# Altium PCB InfraredModule-批量.PcbDoc (part 2 of 2) (continued)
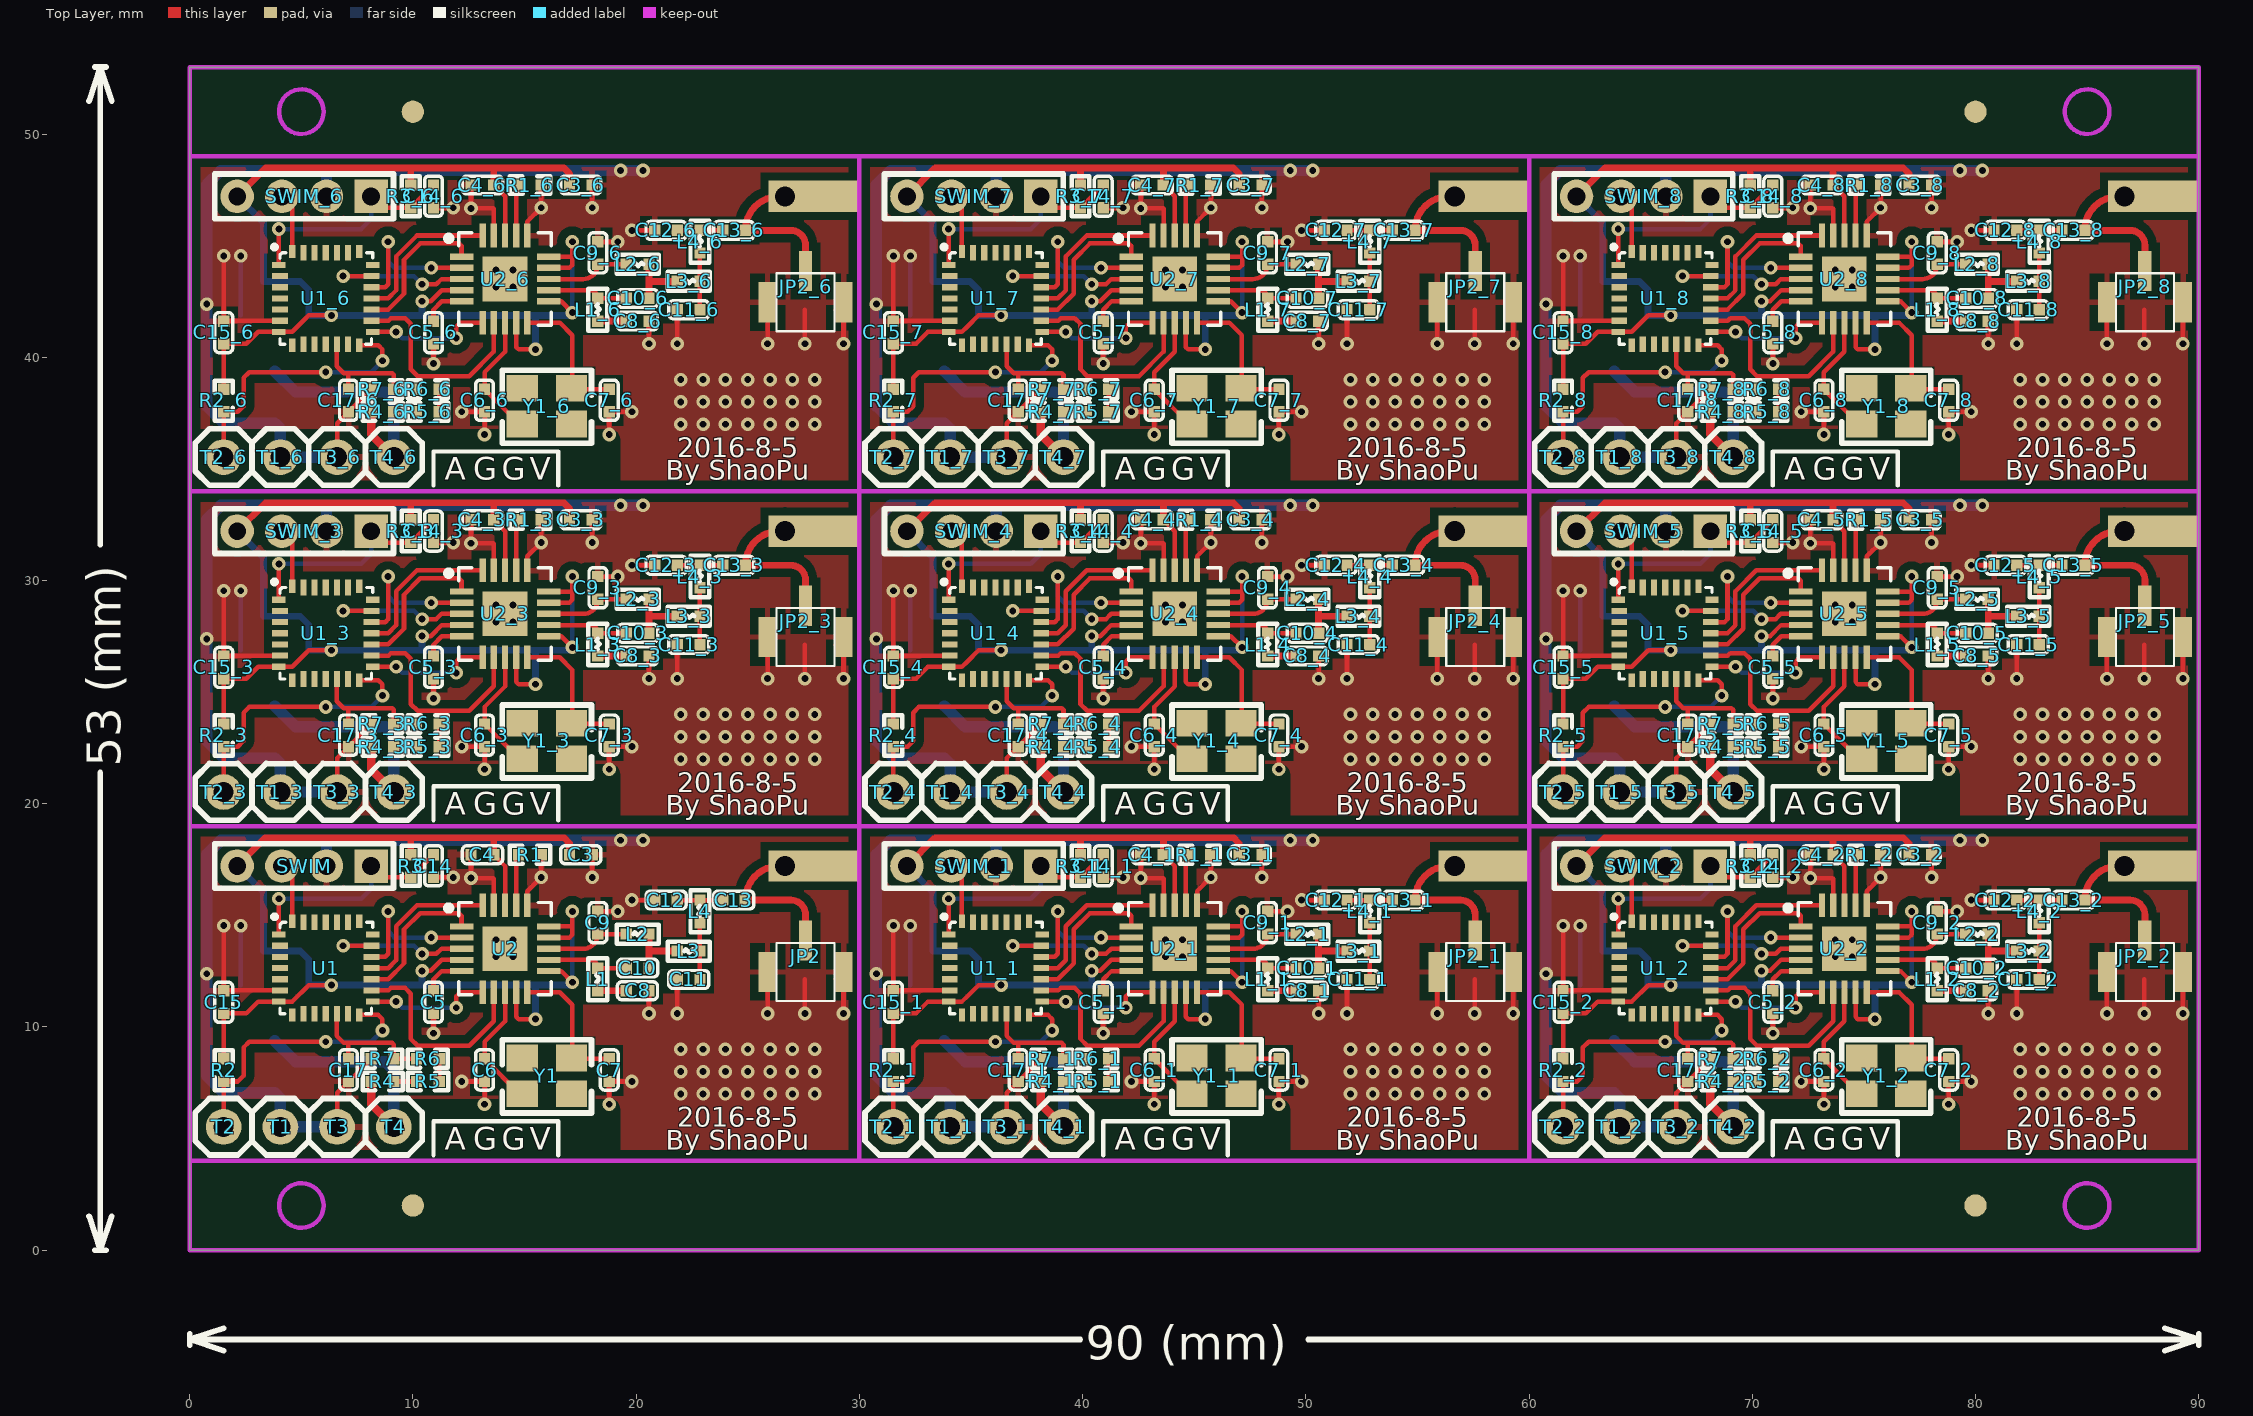
[diagram p0: Top Layer view]
## Nets (pads, with @x,y where several pads share a name; then routed paths per layer and width w, separated by ;. In a path a pad name is that pad's centre, name@x,y a point inside that pad or via, vN(x,y) a via of type N, cw(c..) or ccw(c..) an arc to the next point about the centre after c; other vN are vias at no path point) (continued)
  Top Layer w0.305: 2.128,17.208 3.398,18.478 9.906,18.478 ; 2.128,32.208 3.398,33.478 9.906,33.478 ; 2.128,47.208 3.398,48.478 9.906,48.478 ; 9.906,17.716 9.906,18.478 ; 9.906,32.716 9.906,33.478 ; 9.906,47.716 9.906,48.478 ; 13.619,17.716 13.619,18.381 13.716,18.478 ; 13.619,32.716 13.619,33.381 13.716,33.478 ; 13.619,47.716 13.619,48.381 13.716,48.478 ; 17.018,17.716 17.018,18.224 16.764,18.478 13.716,18.478 ; 17.018,32.716 17.018,33.224 16.764,33.478 13.716,33.478 ; 17.018,47.716 17.018,48.224 16.764,48.478 13.716,48.478 ; 18.288,11.62 19.558,11.62 ; 18.288,26.62 19.558,26.62 ; 18.288,41.62 19.558,41.62 ; 20.574,12.636 20.574,13.398 ; 20.574,14.16 20.574,13.398 ; 20.574,27.636 20.574,28.398 ; 20.574,29.16 20.574,28.398 ; 20.574,42.636 20.574,43.398 ; 20.574,44.16 20.574,43.398 ; 21.844,13.398 20.574,13.398 ; 21.844,28.398 20.574,28.398 ; 21.844,43.398 20.574,43.398 ; 25.908,15.684 24.892,15.684 ; 25.908,30.684 24.892,30.684 ; 25.908,45.684 24.892,45.684 ; 27.589,13.866 27.589,15.019 ccw(c26.924,15.019) 26.924,15.684 24.892,15.684 ; 27.589,28.866 27.589,30.019 ccw(c26.924,30.019) 26.924,30.684 24.892,30.684 ; 27.589,43.866 27.589,45.019 ccw(c26.924,45.019) 26.924,45.684 24.892,45.684 ; 27.686,17.208 26.416,17.208 ccw(c26.416,15.684) 24.892,15.684 ; 27.686,32.208 26.416,32.208 ccw(c26.416,30.684) 24.892,30.684 ; 27.686,47.208 26.416,47.208 ccw(c26.416,45.684) 24.892,45.684 ; 32.128,17.208 33.398,18.478 39.906,18.478 ; 32.128,32.208 33.398,33.478 39.906,33.478 ; 32.128,47.208 33.398,48.478 39.906,48.478 ; 39.906,17.716 39.906,18.478 ; 39.906,32.716 39.906,33.478 ; 39.906,47.716 39.906,48.478 ; 43.619,17.716 43.619,18.381 43.716,18.478 ; 43.619,32.716 43.619,33.381 43.716,33.478 ; 43.619,47.716 43.619,48.381 43.716,48.478 ; 47.018,17.716 47.018,18.224 46.764,18.478 43.716,18.478 ; 47.018,32.716 47.018,33.224 46.764,33.478 43.716,33.478 ; 47.018,47.716 47.018,48.224 46.764,48.478 43.716,48.478 ; 48.288,11.62 49.558,11.62 ; 48.288,26.62 49.558,26.62 ; 48.288,41.62 49.558,41.62 ; 50.574,12.636 50.574,13.398 ; 50.574,14.16 50.574,13.398 ; 50.574,27.636 50.574,28.398 ; 50.574,29.16 50.574,28.398 ; 50.574,42.636 50.574,43.398 ; 50.574,44.16 50.574,43.398 ; 51.844,13.398 50.574,13.398 ; 51.844,28.398 50.574,28.398 ; 51.844,43.398 50.574,43.398 ; 55.908,15.684 54.892,15.684 ; 55.908,30.684 54.892,30.684 ; 55.908,45.684 54.892,45.684 ; 57.589,13.866 57.589,15.019 ccw(c56.924,15.019) 56.924,15.684 54.892,15.684 ; 57.589,28.866 57.589,30.019 ccw(c56.924,30.019) 56.924,30.684 54.892,30.684 ; 57.589,43.866 57.589,45.019 ccw(c56.924,45.019) 56.924,45.684 54.892,45.684 ; 57.686,17.208 56.416,17.208 ccw(c56.416,15.684) 54.892,15.684 ; 57.686,32.208 56.416,32.208 ccw(c56.416,30.684) 54.892,30.684 ; 57.686,47.208 56.416,47.208 ccw(c56.416,45.684) 54.892,45.684 ; 62.128,17.208 63.398,18.478 69.906,18.478 ; 62.128,32.208 63.398,33.478 69.906,33.478 ; 62.128,47.208 63.398,48.478 69.906,48.478 ; 69.906,17.716 69.906,18.478 ; 69.906,32.716 69.906,33.478 ; 69.906,47.716 69.906,48.478 ; 73.619,17.716 73.619,18.381 73.716,18.478 ; 73.619,32.716 73.619,33.381 73.716,33.478 ; 73.619,47.716 73.619,48.381 73.716,48.478 ; 77.018,17.716 77.018,18.224 76.764,18.478 73.716,18.478 ; 77.018,32.716 77.018,33.224 76.764,33.478 73.716,33.478 ; 77.018,47.716 77.018,48.224 76.764,48.478 73.716,48.478 ; 78.288,11.62 79.558,11.62 ; 78.288,26.62 79.558,26.62 ; 78.288,41.62 79.558,41.62 ; 80.574,12.636 80.574,13.398 ; 80.574,14.16 80.574,13.398 ; 80.574,27.636 80.574,28.398 ; 80.574,29.16 80.574,28.398 ; 80.574,42.636 80.574,43.398 ; 80.574,44.16 80.574,43.398 ; 81.844,13.398 80.574,13.398 ; 81.844,28.398 80.574,28.398 ; 81.844,43.398 80.574,43.398 ; 85.908,15.684 84.892,15.684 ; 85.908,30.684 84.892,30.684 ; 85.908,45.684 84.892,45.684 ; 87.589,13.866 87.589,15.019 ccw(c86.924,15.019) 86.924,15.684 84.892,15.684 ; 87.589,28.866 87.589,30.019 ccw(c86.924,30.019) 86.924,30.684 84.892,30.684 ; 87.589,43.866 87.589,45.019 ccw(c86.924,45.019) 86.924,45.684 84.892,45.684 ; 87.686,17.208 86.416,17.208 ccw(c86.416,15.684) 84.892,15.684 ; 87.686,32.208 86.416,32.208 ccw(c86.416,30.684) 84.892,30.684 ; 87.686,47.208 86.416,47.208 ccw(c86.416,45.684) 84.892,45.684 ; 9.906,18.478 13.716,18.478 ; 9.906,33.478 13.716,33.478 ; 9.906,48.478 13.716,48.478 ; 39.906,18.478 43.716,18.478 ; 39.906,33.478 43.716,33.478 ; 39.906,48.478 43.716,48.478 ; 69.906,18.478 73.716,18.478 ; 69.906,33.478 73.716,33.478 ; 69.906,48.478 73.716,48.478
  Top Layer w0.381: 8.128,7.556 8.128,6.54 9.144,5.524 ; 8.128,22.556 8.128,21.54 9.144,20.524 ; 8.128,37.556 8.128,36.54 9.144,35.524 ; 38.128,7.556 38.128,6.54 39.144,5.524 ; 38.128,22.556 38.128,21.54 39.144,20.524 ; 38.128,37.556 38.128,36.54 39.144,35.524 ; 68.128,7.556 68.128,6.54 69.144,5.524 ; 68.128,22.556 68.128,21.54 69.144,20.524 ; 68.128,37.556 68.128,36.54 69.144,35.524
  Bottom Layer w0.203: 2.286,11.874 2.286,13.398 v1(2.286,14.541) ; 2.286,26.874 2.286,28.398 v1(2.286,29.541) ; 2.286,41.874 2.286,43.398 v1(2.286,44.541) ; v1(3.996,15.743) 7.679,15.743 8.128,16.192 8.128,17.208 ; v1(3.996,30.743) 7.679,30.743 8.128,31.192 8.128,32.208 ; v1(3.996,45.743) 7.679,45.743 8.128,46.192 8.128,47.208 ; v1(6.096,9.334) 8.128,9.334 v1(8.636,9.842) ; v1(6.096,24.334) 8.128,24.334 v1(8.636,24.842) ; v1(6.096,39.334) 8.128,39.334 v1(8.636,39.842) ; v1(8.89,15.176) 8.89,14.287 9.173,14.004 v1(10.824,14.004) ; v1(8.89,30.176) 8.89,29.287 9.173,29.004 v1(10.824,29.004) ; v1(8.89,45.176) 8.89,44.287 9.173,44.004 v1(10.824,44.004) ; v1(9.247,11.136) 9.525,10.858 v1(11.938,10.858) ; v1(9.247,26.136) 9.525,25.858 v1(11.938,25.858) ; v1(9.247,41.136) 9.525,40.858 v1(11.938,40.858) ; 9.668,13.636 v1(6.874,13.636) 10.049,13.636 v1(10.414,13.271) ; 9.668,28.636 v1(6.874,28.636) 10.049,28.636 v1(10.414,28.271) ; 9.668,43.636 v1(6.874,43.636) 10.049,43.636 v1(10.414,43.271) ; v1(17.145,12.001) v1(17.145,15.176) ; v1(17.145,27.001) v1(17.145,30.176) ; v1(17.145,42.001) v1(17.145,45.176) ; 32.286,11.874 32.286,13.398 v1(32.286,14.541) ; 32.286,26.874 32.286,28.398 v1(32.286,29.541) ; 32.286,41.874 32.286,43.398 v1(32.286,44.541) ; v1(33.996,15.743) 37.679,15.743 38.128,16.192 38.128,17.208 ; v1(33.996,30.743) 37.679,30.743 38.128,31.192 38.128,32.208 ; v1(33.996,45.743) 37.679,45.743 38.128,46.192 38.128,47.208 ; v1(36.096,9.334) 38.128,9.334 v1(38.636,9.842) ; v1(36.096,24.334) 38.128,24.334 v1(38.636,24.842) ; v1(36.096,39.334) 38.128,39.334 v1(38.636,39.842) ; v1(38.89,15.176) 38.89,14.287 39.173,14.004 v1(40.824,14.004) ; v1(38.89,30.176) 38.89,29.287 39.173,29.004 v1(40.824,29.004) ; v1(38.89,45.176) 38.89,44.287 39.173,44.004 v1(40.824,44.004) ; v1(39.247,11.136) 39.525,10.858 v1(41.938,10.858) ; v1(39.247,26.136) 39.525,25.858 v1(41.938,25.858) ; v1(39.247,41.136) 39.525,40.858 v1(41.938,40.858) ; 39.668,13.636 v1(36.874,13.636) 40.049,13.636 v1(40.414,13.271) ; 39.668,28.636 v1(36.874,28.636) 40.049,28.636 v1(40.414,28.271) ; 39.668,43.636 v1(36.874,43.636) 40.049,43.636 v1(40.414,43.271) ; v1(47.145,12.001) v1(47.145,15.176) ; v1(47.145,27.001) v1(47.145,30.176) ; v1(47.145,42.001) v1(47.145,45.176) ; 62.286,11.874 62.286,13.398 v1(62.286,14.541) ; 62.286,26.874 62.286,28.398 v1(62.286,29.541) ; 62.286,41.874 62.286,43.398 v1(62.286,44.541) ; v1(63.996,15.743) 67.679,15.743 68.128,16.192 68.128,17.208 ; v1(63.996,30.743) 67.679,30.743 68.128,31.192 68.128,32.208 ; v1(63.996,45.743) 67.679,45.743 68.128,46.192 68.128,47.208 ; v1(66.096,9.334) 68.128,9.334 v1(68.636,9.842) ; v1(66.096,24.334) 68.128,24.334 v1(68.636,24.842) ; v1(66.096,39.334) 68.128,39.334 v1(68.636,39.842) ; v1(68.89,15.176) 68.89,14.287 69.173,14.004 v1(70.824,14.004) ; v1(68.89,30.176) 68.89,29.287 69.173,29.004 v1(70.824,29.004) ; v1(68.89,45.176) 68.89,44.287 69.173,44.004 v1(70.824,44.004) ; v1(69.247,11.136) 69.525,10.858 v1(71.938,10.858) ; v1(69.247,26.136) 69.525,25.858 v1(71.938,25.858) ; v1(69.247,41.136) 69.525,40.858 v1(71.938,40.858) ; 69.668,13.636 v1(66.874,13.636) 70.049,13.636 v1(70.414,13.271) ; 69.668,28.636 v1(66.874,28.636) 70.049,28.636 v1(70.414,28.271) ; 69.668,43.636 v1(66.874,43.636) 70.049,43.636 v1(70.414,43.271) ; v1(77.145,12.001) v1(77.145,15.176) ; v1(77.145,27.001) v1(77.145,30.176) ; v1(77.145,42.001) v1(77.145,45.176)
  Bottom Layer w0.305: 2.128,17.208 3.302,16.034 3.302,13.398 4.953,13.398 5.334,13.017 5.334,11.874 10.414,11.874 ; 2.128,32.208 3.302,31.034 3.302,28.398 4.953,28.398 5.334,28.017 5.334,26.874 10.414,26.874 ; 2.128,47.208 3.302,46.034 3.302,43.398 4.953,43.398 5.334,43.017 5.334,41.874 10.414,41.874 ; v1(10.414,12.509) 10.414,11.874 ; v1(10.414,27.509) 10.414,26.874 ; v1(10.414,42.509) 10.414,41.874 ; v1(15.494,10.35) 15.494,11.874 ; v1(15.494,25.35) 15.494,26.874 ; v1(15.494,40.35) 15.494,41.874 ; v1@17.018,11.874 15.494,11.874 ; v1@17.018,26.874 15.494,26.874 ; v1@17.018,41.874 15.494,41.874 ; 32.128,17.208 33.302,16.034 33.302,13.398 34.953,13.398 35.334,13.017 35.334,11.874 40.414,11.874 ; 32.128,32.208 33.302,31.034 33.302,28.398 34.953,28.398 35.334,28.017 35.334,26.874 40.414,26.874 ; 32.128,47.208 33.302,46.034 33.302,43.398 34.953,43.398 35.334,43.017 35.334,41.874 40.414,41.874 ; v1(40.414,12.509) 40.414,11.874 ; v1(40.414,27.509) 40.414,26.874 ; v1(40.414,42.509) 40.414,41.874 ; v1(45.494,10.35) 45.494,11.874 ; v1(45.494,25.35) 45.494,26.874 ; v1(45.494,40.35) 45.494,41.874 ; v1@47.018,11.874 45.494,11.874 ; v1@47.018,26.874 45.494,26.874 ; v1@47.018,41.874 45.494,41.874 ; 62.128,17.208 63.302,16.034 63.302,13.398 64.953,13.398 65.334,13.017 65.334,11.874 70.414,11.874 ; 62.128,32.208 63.302,31.034 63.302,28.398 64.953,28.398 65.334,28.017 65.334,26.874 70.414,26.874 ; 62.128,47.208 63.302,46.034 63.302,43.398 64.953,43.398 65.334,43.017 65.334,41.874 70.414,41.874 ; v1(70.414,12.509) 70.414,11.874 ; v1(70.414,27.509) 70.414,26.874 ; v1(70.414,42.509) 70.414,41.874 ; v1(75.494,10.35) 75.494,11.874 ; v1(75.494,25.35) 75.494,26.874 ; v1(75.494,40.35) 75.494,41.874 ; v1@77.018,11.874 75.494,11.874 ; v1@77.018,26.874 75.494,26.874 ; v1@77.018,41.874 75.494,41.874 ; 10.414,11.874 15.494,11.874 ; 10.414,26.874 15.494,26.874 ; 10.414,41.874 15.494,41.874 ; 40.414,11.874 45.494,11.874 ; 40.414,26.874 45.494,26.874 ; 40.414,41.874 45.494,41.874 ; 70.414,11.874 75.494,11.874 ; 70.414,26.874 75.494,26.874 ; 70.414,41.874 75.494,41.874
  Bottom Layer w0.508: 3.81,9.374 4.739,8.445 8.763,8.445 9.144,8.064 9.144,5.524 ; 3.81,24.374 4.739,23.445 8.763,23.445 9.144,23.064 9.144,20.524 ; 3.81,39.374 4.739,38.445 8.763,38.445 9.144,38.064 9.144,35.524 ; 6.128,17.208 6.128,18.332 6.096,18.364 ; 6.128,32.208 6.128,33.332 6.096,33.364 ; 6.128,47.208 6.128,48.332 6.096,48.364 ; 6.604,5.524 4.064,5.524 4.064,6.794 3.81,7.048 1.524,7.048 0.762,7.81 0.762,17.729 1.397,18.364 6.096,18.364 ; 6.604,20.524 4.064,20.524 4.064,21.794 3.81,22.048 1.524,22.048 0.762,22.81 0.762,32.729 1.397,33.364 6.096,33.364 ; 6.604,35.524 4.064,35.524 4.064,36.794 3.81,37.048 1.524,37.048 0.762,37.81 0.762,47.729 1.397,48.364 6.096,48.364 ; v1(20.307,18.364) v1(19.304,18.364) 6.096,18.364 ; v1(20.307,33.364) v1(19.304,33.364) 6.096,33.364 ; v1(20.307,48.364) v1(19.304,48.364) 6.096,48.364 ; 33.81,9.374 34.739,8.445 38.763,8.445 39.144,8.064 39.144,5.524 ; 33.81,24.374 34.739,23.445 38.763,23.445 39.144,23.064 39.144,20.524 ; 33.81,39.374 34.739,38.445 38.763,38.445 39.144,38.064 39.144,35.524 ; 36.128,17.208 36.128,18.332 36.096,18.364 ; 36.128,32.208 36.128,33.332 36.096,33.364 ; 36.128,47.208 36.128,48.332 36.096,48.364 ; 36.604,5.524 34.064,5.524 34.064,6.794 33.81,7.048 31.524,7.048 30.762,7.81 30.762,17.729 31.397,18.364 36.096,18.364 ; 36.604,20.524 34.064,20.524 34.064,21.794 33.81,22.048 31.524,22.048 30.762,22.81 30.762,32.729 31.397,33.364 36.096,33.364 ; 36.604,35.524 34.064,35.524 34.064,36.794 33.81,37.048 31.524,37.048 30.762,37.81 30.762,47.729 31.397,48.364 36.096,48.364 ; v1(50.307,18.364) v1(49.304,18.364) 36.096,18.364 ; v1(50.307,33.364) v1(49.304,33.364) 36.096,33.364 ; v1(50.307,48.364) v1(49.304,48.364) 36.096,48.364 ; 63.81,9.374 64.739,8.445 68.763,8.445 69.144,8.064 69.144,5.524 ; 63.81,24.374 64.739,23.445 68.763,23.445 69.144,23.064 69.144,20.524 ; 63.81,39.374 64.739,38.445 68.763,38.445 69.144,38.064 69.144,35.524 ; 66.128,17.208 66.128,18.332 66.096,18.364 ; 66.128,32.208 66.128,33.332 66.096,33.364 ; 66.128,47.208 66.128,48.332 66.096,48.364 ; 66.604,5.524 64.064,5.524 64.064,6.794 63.81,7.048 61.524,7.048 60.762,7.81 60.762,17.729 61.397,18.364 66.096,18.364 ; 66.604,20.524 64.064,20.524 64.064,21.794 63.81,22.048 61.524,22.048 60.762,22.81 60.762,32.729 61.397,33.364 66.096,33.364 ; 66.604,35.524 64.064,35.524 64.064,36.794 63.81,37.048 61.524,37.048 60.762,37.81 60.762,47.729 61.397,48.364 66.096,48.364 ; v1(80.307,18.364) v1(79.304,18.364) 66.096,18.364 ; v1(80.307,33.364) v1(79.304,33.364) 66.096,33.364 ; v1(80.307,48.364) v1(79.304,48.364) 66.096,48.364
  other v1: 22,7 23,7 24,7 25,7 26,7 27,7 28,7 52,7 53,7 54,7 55,7 56,7 57,7 58,7 82,7 83,7 84,7 85,7 86,7 87,7 88,7 22,8 23,8 24,8 25,8 26,8 27,8 28,8 52,8 53,8 54,8 55,8 56,8 57,8 58,8 82,8 83,8 84,8 85,8 86,8 87,8 88,8 22,9 23,9 24,9 25,9 26,9 27,9 28,9 52,9 53,9 54,9 55,9 56,9 57,9 58,9 82,9 83,9 84,9 85,9 86,9 87,9 88,9 25.889,10.604 55.889,10.604 85.889,10.604 0.762,12.382 30.762,12.382 60.762,12.382 13.716,13.144 14.478,13.144 43.716,13.144 44.478,13.144 73.716,13.144 74.478,13.144 13.716,13.906 14.478,13.906 43.716,13.906 44.478,13.906 73.716,13.906 74.478,13.906 22,22 23,22 24,22 25,22 26,22 27,22 28,22 52,22 53,22 54,22 55,22 56,22 57,22 58,22 82,22 83,22 84,22 85,22 86,22 87,22 88,22 22,23 23,23 24,23 25,23 26,23 27,23 28,23 52,23 53,23 54,23 55,23 56,23 57,23 58,23 82,23 83,23 84,23 85,23 86,23 87,23 88,23 22,24 23,24 24,24 25,24 26,24 27,24 28,24 52,24 53,24 54,24 55,24 56,24 57,24 58,24 82,24 83,24 84,24 85,24 86,24 87,24 88,24 25.889,25.604 55.889,25.604 85.889,25.604 0.762,27.382 30.762,27.382 60.762,27.382 13.716,28.144 14.478,28.144 43.716,28.144 44.478,28.144 73.716,28.144 74.478,28.144 13.716,28.906 14.478,28.906 43.716,28.906 44.478,28.906 73.716,28.906 74.478,28.906 22,37 23,37 24,37 25,37 26,37 27,37 28,37 52,37 53,37 54,37 55,37 56,37 57,37 58,37 82,37 83,37 84,37 85,37 86,37 87,37 88,37 22,38 23,38 24,38 25,38 26,38 27,38 28,38 52,38 53,38 54,38 55,38 56,38 57,38 58,38 82,38 83,38 84,38 85,38 86,38 87,38 88,38 22,39 23,39 24,39 25,39 26,39 27,39 28,39 52,39 53,39 54,39 55,39 56,39 57,39 58,39 82,39 83,39 84,39 85,39 86,39 87,39 88,39 25.889,40.604 55.889,40.604 85.889,40.604 0.762,42.382 30.762,42.382 60.762,42.382 13.716,43.144 14.478,43.144 43.716,43.144 44.478,43.144 73.716,43.144 74.478,43.144 13.716,43.906 14.478,43.906 43.716,43.906 44.478,43.906 73.716,43.906 74.478,43.906

## Polygon pours and split planes (outlines as drawn)
no net on Bottom Layer "Top Layer-No Net" (solid, remove dead copper, pour order 1001): 60,34 60,49 90,49 90,34
no net on Bottom Layer "Top Layer-No Net" (solid, remove dead copper, pour order 1001): 30,34 30,49 60,49 60,34
no net on Bottom Layer "Top Layer-No Net" (solid, remove dead copper, pour order 1001): 0,34 0,49 30,49 30,34
no net on Bottom Layer "Top Layer-No Net" (solid, remove dead copper, pour order 1001): 60,19 60,34 90,34 90,19
no net on Bottom Layer "Top Layer-No Net" (solid, remove dead copper, pour order 1001): 30,19 30,34 60,34 60,19
no net on Bottom Layer "Top Layer-No Net" (solid, remove dead copper, pour order 1001): 0,19 0,34 30,34 30,19
no net on Bottom Layer "Top Layer-No Net" (solid, remove dead copper, pour order 1001): 60,4 60,19 90,19 90,4
no net on Bottom Layer "Top Layer-No Net" (solid, remove dead copper, pour order 1001): 30,4 30,19 60,19 60,4
no net on Bottom Layer "Top Layer-No Net" (solid, remove dead copper, pour order 1001): 0,4 0,19 30,19 30,4
no net on Top Layer "Top Layer-No Net" (solid, remove dead copper, pour order 1000): 60,34 60,49 90,49 90,34
no net on Top Layer "Top Layer-No Net" (solid, remove dead copper, pour order 1000): 30,34 30,49 60,49 60,34
no net on Top Layer "Top Layer-No Net" (solid, remove dead copper, pour order 1000): 0,34 0,49 30,49 30,34
no net on Top Layer "Top Layer-No Net" (solid, remove dead copper, pour order 1000): 60,19 60,34 90,34 90,19
no net on Top Layer "Top Layer-No Net" (solid, remove dead copper, pour order 1000): 30,19 30,34 60,34 60,19
no net on Top Layer "Top Layer-No Net" (solid, remove dead copper, pour order 1000): 0,19 0,34 30,34 30,19
no net on Top Layer "Top Layer-No Net" (solid, remove dead copper, pour order 1000): 60,4 60,19 90,19 90,4
no net on Top Layer "Top Layer-No Net" (solid, remove dead copper, pour order 1000): 30,4 30,19 60,19 60,4
no net on Top Layer "Top Layer-No Net" (solid, remove dead copper, pour order 1000): 0,4 0,19 30,19 30,4

## Keep-outs
Keep-Out Layer:
  circle w0.2: c85,51 r1
  circle w0.2: c5,51 r1
  circle w0.2: c85,2 r1
  circle w0.2: c5,2 r1
  lines w0.2: 0,4 30,4 ; 0,4 0,19 ; 0,4 0,0 90,0 90,4 ; 0,19 30,19 ; 0,19 0,34 ; 0,19 30,19 ; 0,34 30,34 ; 0,34 0,49 ; 0,34 30,34 ; 0,49 0,53 90,53 90,49 ; 0,49 30,49 ; 30,4 60,4 ; 30,4 30,19 ; 30,4 30,19 ; 30,19 60,19 ; 30,19 30,34 ; 30,19 30,34 ; 30,19 60,19 ; 30,34 60,34 ; 30,34 30,49 ; 30,34 30,49 ; 30,34 60,34 ; 30,49 60,49 ; 60,4 90,4 ; 60,4 60,19 ; 60,4 60,19 ; 60,19 90,19 ; 60,19 60,34 ; 60,19 60,34 ; 60,19 90,19 ; 60,34 90,34 ; 60,34 60,49 ; 60,34 60,49 ; 60,34 90,34 ; 60,49 90,49 ; 90,4 90,19 ; 90,19 90,34 ; 90,34 90,49

## Silkscreen, mask and mechanical layers (free items; w line width, h text height)
Top Overlay:
  lines w0.2: 10.922,4.254 10.922,5.778 16.51,5.778 16.51,4.254 ; 10.922,19.254 10.922,20.778 16.51,20.778 16.51,19.254 ; 10.922,34.254 10.922,35.778 16.51,35.778 16.51,34.254 ; 40.922,4.254 40.922,5.778 46.51,5.778 46.51,4.254 ; 40.922,19.254 40.922,20.778 46.51,20.778 46.51,19.254 ; 40.922,34.254 40.922,35.778 46.51,35.778 46.51,34.254 ; 70.922,4.254 70.922,5.778 76.51,5.778 76.51,4.254 ; 70.922,19.254 70.922,20.778 76.51,20.778 76.51,19.254 ; 70.922,34.254 70.922,35.778 76.51,35.778 76.51,34.254
  lines w0.254: -4.508,1.524 -4,0 ; -4.508,51.476 -4,53 ; -4.254,0 -3.746,0 ; -4.254,53 -3.746,53 ; -4,21.396 -4,0 ; -4,31.604 -4,53 ; -3.492,1.524 -4,0 ; -3.492,51.476 -4,53 ; 0,-4.254 0,-3.746 ; 1.524,-4.508 0,-4 ; 1.524,-3.492 0,-4 ; 39.896,-4 0,-4 ; 50.104,-4 90,-4 ; 88.476,-4.508 90,-4 ; 88.476,-3.492 90,-4 ; 90,-4.254 90,-3.746
  text "2016-8-5" at 21.844,35.524 h0.89
  text "2016-8-5" at 51.844,35.524 h0.89
  text "2016-8-5" at 81.844,35.524 h0.89
  text "A" at 11.43,34.508 h1.02
  text "G" at 12.7,34.508 h1.02
  text "G" at 13.97,34.508 h1.02
  text "V" at 15.24,34.508 h1.02
  text "By ShaoPu" at 21.336,34.508 h0.89
  text "A" at 41.43,34.508 h1.02
  text "G" at 42.7,34.508 h1.02
  text "G" at 43.97,34.508 h1.02
  text "V" at 45.24,34.508 h1.02
  text "By ShaoPu" at 51.336,34.508 h0.89
  text "A" at 71.43,34.508 h1.02
  text "G" at 72.7,34.508 h1.02
  text "G" at 73.97,34.508 h1.02
  text "V" at 75.24,34.508 h1.02
  text "By ShaoPu" at 81.336,34.508 h0.89
  text "53 (mm)" at -3.086,21.65 h1.52 r90
  text "2016-8-5" at 21.844,20.524 h0.89
  text "2016-8-5" at 51.844,20.524 h0.89
  text "2016-8-5" at 81.844,20.524 h0.89
  text "A" at 11.43,19.508 h1.02
  text "G" at 12.7,19.508 h1.02
  text "G" at 13.97,19.508 h1.02
  text "V" at 15.24,19.508 h1.02
  text "By ShaoPu" at 21.336,19.508 h0.89
  text "A" at 41.43,19.508 h1.02
  text "G" at 42.7,19.508 h1.02
  text "G" at 43.97,19.508 h1.02
  text "V" at 45.24,19.508 h1.02
  text "By ShaoPu" at 51.336,19.508 h0.89
  text "A" at 71.43,19.508 h1.02
  text "G" at 72.7,19.508 h1.02
  text "G" at 73.97,19.508 h1.02
  text "V" at 75.24,19.508 h1.02
  text "By ShaoPu" at 81.336,19.508 h0.89
  text "2016-8-5" at 21.844,5.524 h0.89
  text "2016-8-5" at 51.844,5.524 h0.89
  text "2016-8-5" at 81.844,5.524 h0.89
  text "A" at 11.43,4.508 h1.02
  text "G" at 12.7,4.508 h1.02
  text "G" at 13.97,4.508 h1.02
  text "V" at 15.24,4.508 h1.02
  text "By ShaoPu" at 21.336,4.508 h0.89
  text "A" at 41.43,4.508 h1.02
  text "G" at 42.7,4.508 h1.02
  text "G" at 43.97,4.508 h1.02
  text "V" at 45.24,4.508 h1.02
  text "By ShaoPu" at 51.336,4.508 h0.89
  text "A" at 71.43,4.508 h1.02
  text "G" at 72.7,4.508 h1.02
  text "G" at 73.97,4.508 h1.02
  text "V" at 75.24,4.508 h1.02
  text "By ShaoPu" at 81.336,4.508 h0.89
  text "90 (mm)" at 40.15,-4.914 h1.52